# Altium PCB spin5v1_simple.PcbDoc (part 22 of 25)
Units mm, origin at the board's own origin, x right, y up, seen from the top; angles counter-clockwise.
Board outline 220.03 x 233.43 mm, 2 copper layers (TOP, BOTTOM), stack 0.176 mm thick; 1457 components, 4724 nets, 19245 pads, 25289 vias.
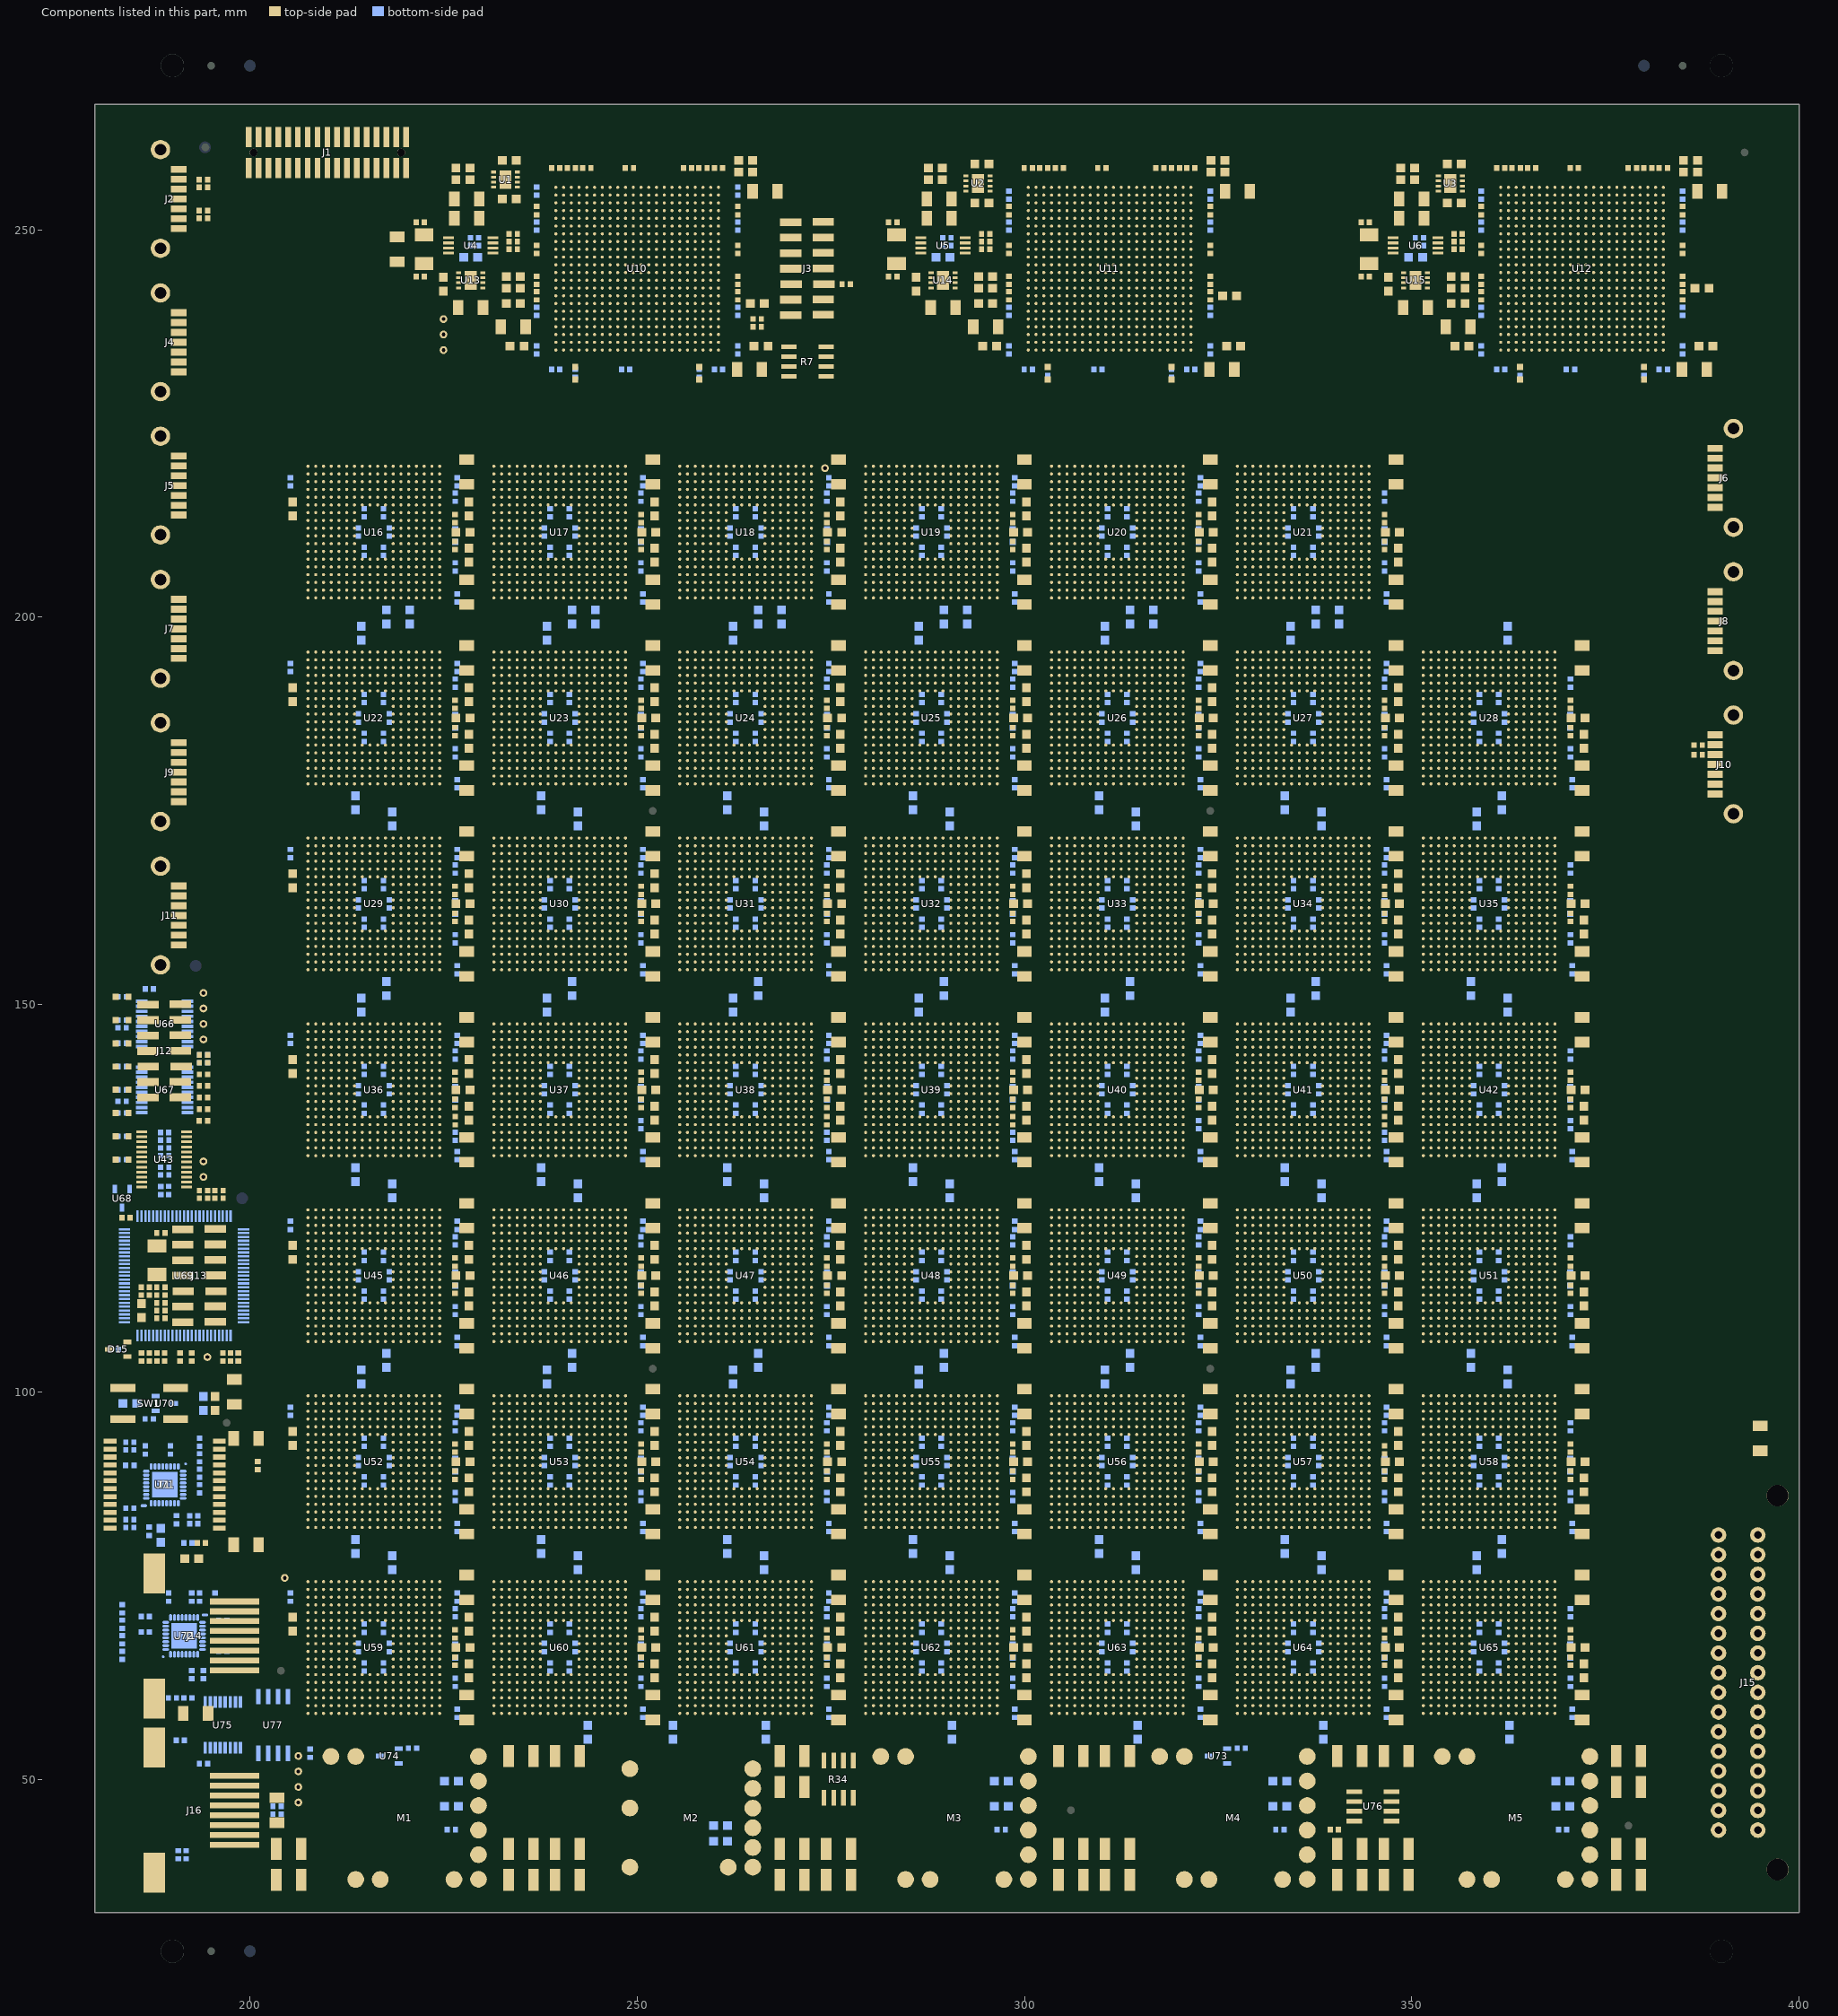
[diagram p22: the components of this part, seen from the top]

## Via types
v1: diameter 0.48, hole 0.25, TOP to BOTTOM, 22348 vias
v2: diameter 0.61, hole 0.3, TOP to BOTTOM, 2059 vias
v3: diameter 0.8, hole 0, TOP to BOTTOM, 882 vias

## Nets (pads, with @x,y where several pads share a name; then routed paths per layer and width w, separated by ;. In a path a pad name is that pad's centre, name@x,y a point inside that pad or via, vN(x,y) a via of type N, cw(c..) or ccw(c..) an arc to the next point about the centre after c; other vN are vias at no path point) (continued)
pads on no net: "J1. " "J2. " "J4. " "J5. " "J6. " "J7. " "J8. " "J9. " "J10. " "J11. " "J14. " "J15. " "J16. " "U71. " "U72. " D15.2 Designator1.1 Designator1.2 J3.12 J3.14 J12.1 J12.12 J13.1 J13.12 J15.C3 M2.1 M2.10 M4.1 R7.3 R34.3 U1.5 U1.6 U2.5 U2.6 U3.5 U3.6 U10.A18 U10.A19 U10.C4 U10.C5 U10.C11 U10.C17 U10.D5 U10.D11 U10.D17 U10.E5 U10.E6 U10.E12 U10.E16 U10.F7 U10.F8 U10.F9 U10.F10 U10.F12 U10.F14 U10.F15 U10.F16 U10.G8 U10.G9 U10.G11 U10.G13 U10.G15 U10.H10 U10.H11 U10.H12 U10.H13 U10.H14 U10.P15 U10.T16 U10.U17 U10.V18 U10.V20 U11.A18 U11.A19 U11.C4 U11.C5 U11.C11 U11.C17 U11.D5 U11.D11 U11.D17 U11.E5 U11.E6 U11.E12 U11.E16 U11.F7 U11.F8 U11.F9 U11.F10 U11.F12 U11.F14 U11.F15 U11.F16 U11.G8 U11.G9 U11.G11 U11.G13 U11.G15 U11.H10 U11.H11 U11.H12 U11.H13 U11.H14 U11.P15 U11.T16 U11.U17 U11.V18 U11.V20 U12.A18 U12.A19 U12.C4 U12.C5 U12.C11 U12.C17 U12.D5 U12.D11 U12.D17 U12.E5 U12.E6 U12.E12 U12.E16 U12.F7 U12.F8 U12.F9 U12.F10 U12.F12 U12.F14 U12.F15 U12.F16 U12.G8 U12.G9 U12.G11 U12.G13 U12.G15 U12.H10 U12.H11 U12.H12 U12.H13 U12.H14 U12.P15 U12.T16 U12.U17 U12.V18 U12.V20 U13.5 U13.6 U14.5 U14.6 U15.5 U15.6 U16.A1 U16.A2 U16.B1 U16.B2 U16.B3 U16.C1 U16.C2 U16.C3 U16.D1 U16.D2 U16.D3 U16.D4 U16.D15 U16.E1 U16.E2 U16.E3 U16.E4 U16.E15 U16.F1 U16.F2 U16.F3 U16.F4 U16.F15 U16.G1 U16.G2 U16.G3 U16.G4 U16.G18 U16.H1 U16.H2 U16.H3 U16.H4 U16.J1 U16.J2 U16.J3 U16.J4 U16.J15 U16.K1 U16.K2 U16.K3 U16.K4 U16.L1 U16.L2 U16.L3 U16.L4 U16.M1 U16.M2 U16.M3 U16.M4 U16.N1 U16.N2 U16.N3 U16.N4 U16.P1 U16.P2 U16.P3 U16.P4 U16.P15 U16.R1 U16.R2 U16.R3 U16.R4 U16.R15 U16.T1 U16.T2 U16.T3 U16.U1 U16.U2 U16.U3 U16.U16 U16.V1 U16.V2 U16.V17 U17.A1 U17.A2 U17.B1 U17.B2 U17.B3 U17.C1 U17.C2 U17.C3 U17.D1 U17.D2 U17.D3 U17.D4 U17.D15 U17.E1 U17.E2 U17.E3 U17.E4 U17.E15 U17.F1 U17.F2 U17.F3 U17.F4 U17.F15 U17.G1 U17.G2 U17.G3 U17.G4 U17.G18 U17.H1 U17.H2 U17.H3 U17.H4 U17.J1 U17.J2 U17.J3 U17.J4 U17.J15 U17.K1 U17.K2 U17.K3 U17.K4 U17.L1 U17.L2 U17.L3 U17.L4 U17.M1 U17.M2 U17.M3 U17.M4 U17.N1 U17.N2 U17.N3 U17.N4 U17.P1 U17.P2 U17.P3 U17.P4 U17.P15 U17.R1 U17.R2 U17.R3 U17.R4 U17.R15 U17.T1 U17.T2 U17.T3 U17.U1 U17.U2 U17.U3 U17.U16 U17.V1 U17.V2 U17.V17 U18.A1 U18.A2 U18.B1 U18.B2 U18.B3 U18.C1 U18.C2 U18.C3 U18.D1 U18.D2 U18.D3 U18.D4 U18.D15 U18.E1 U18.E2 U18.E3 U18.E4 U18.E15 U18.F1 U18.F2 U18.F3 U18.F4 U18.F15 U18.G1 U18.G2 U18.G3 U18.G4 U18.G18 U18.H1 U18.H2 U18.H3 U18.H4 U18.J1 U18.J2 U18.J3 U18.J4 U18.J15 U18.K1 U18.K2 U18.K3 U18.K4 U18.L1 U18.L2 U18.L3 U18.L4 U18.M1 U18.M2 U18.M3 U18.M4 U18.N1 U18.N2 U18.N3 U18.N4 U18.P1 U18.P2 U18.P3 U18.P4 U18.P15 U18.R1 U18.R2 U18.R3 U18.R4 U18.R15 U18.T1 U18.T2 U18.T3 U18.U1 U18.U2 U18.U3 U18.U16 U18.V1 U18.V2 U18.V17 U19.A1 U19.A2 U19.B1 U19.B2 U19.B3 U19.C1 U19.C2 U19.C3 U19.D1 U19.D2 U19.D3 U19.D4 U19.D15 U19.E1 U19.E2 U19.E3 U19.E4 U19.E15 U19.F1 U19.F2 U19.F3 U19.F4 U19.F15 U19.G1 U19.G2 U19.G3 U19.G4 U19.G18 U19.H1 U19.H2 U19.H3 U19.H4 U19.J1 U19.J2 U19.J3 U19.J4 U19.J15 U19.K1 U19.K2 U19.K3 U19.K4 U19.L1 U19.L2 U19.L3 U19.L4 U19.M1 U19.M2 U19.M3 U19.M4 U19.N1 U19.N2 U19.N3 U19.N4 U19.P1 U19.P2 U19.P3 U19.P4 U19.P15 U19.R1 U19.R2 U19.R3 U19.R4 U19.R15 U19.T1 U19.T2 U19.T3 U19.U1 U19.U2 U19.U3 U19.U16 U19.V1 U19.V2 U19.V17 U20.A1 U20.A2 U20.B1 U20.B2 U20.B3 U20.C1 U20.C2 U20.C3 U20.D1 U20.D2 U20.D3 U20.D4 U20.D15 U20.E1 U20.E2 U20.E3 U20.E4 U20.E15 U20.F1 U20.F2 U20.F3 U20.F4 U20.F15 U20.G1 U20.G2 U20.G3 U20.G4 U20.G18 U20.H1 U20.H2 U20.H3 U20.H4 U20.J1 U20.J2 U20.J3 U20.J4 U20.J15 U20.K1 U20.K2 U20.K3 U20.K4 U20.L1 U20.L2 U20.L3 U20.L4 U20.M1 U20.M2 U20.M3 U20.M4 U20.N1 U20.N2 U20.N3 U20.N4 U20.P1 U20.P2 U20.P3 U20.P4 U20.P15 U20.R1 U20.R2 U20.R3 U20.R4 U20.R15 U20.T1 U20.T2 U20.T3 U20.U1 U20.U2 U20.U3 U20.U16 U20.V1 U20.V2 U20.V17 U21.A1 U21.A2 U21.B1 U21.B2 U21.B3 U21.C1 U21.C2 U21.C3 U21.D1 U21.D2 U21.D3 U21.D4 U21.D15 U21.E1 U21.E2 U21.E3 U21.E4 U21.E15 U21.F1 U21.F2 U21.F3 U21.F4 U21.F15 U21.G1 U21.G2 U21.G3 U21.G4 U21.G18 U21.H1 U21.H2 U21.H3 U21.H4 U21.J1 U21.J2 U21.J3 U21.J4 U21.J15 U21.K1 U21.K2 U21.K3 U21.K4 U21.L1 U21.L2 U21.L3 U21.L4 U21.M1 U21.M2 U21.M3 U21.M4 U21.N1 U21.N2 U21.N3 U21.N4 U21.P1 U21.P2 U21.P3 U21.P4 U21.P15 U21.R1 U21.R2 U21.R3 U21.R4 U21.R15 U21.T1 U21.T2 U21.T3 U21.U1 U21.U2 U21.U3 U21.U16 U21.V1 U21.V2 U21.V17 U22.A1 U22.A2 U22.B1 U22.B2 U22.B3 U22.C1 U22.C2 U22.C3 U22.D1 U22.D2 U22.D3 U22.D4 U22.D15 U22.E1 U22.E2 U22.E3 U22.E4 U22.E15 U22.F1 U22.F2 U22.F3 U22.F4 U22.F15 U22.G1 U22.G2 U22.G3 U22.G4 U22.G18 U22.H1 U22.H2 U22.H3 U22.H4 U22.J1 U22.J2 U22.J3 U22.J4 U22.J15 U22.K1 U22.K2 U22.K3 U22.K4 U22.L1 U22.L2 U22.L3 U22.L4 U22.M1 U22.M2 U22.M3 U22.M4 U22.N1 U22.N2 U22.N3 U22.N4 U22.P1 U22.P2 U22.P3 U22.P4 U22.P15 U22.R1 U22.R2 U22.R3 U22.R4 U22.R15 U22.T1 U22.T2 U22.T3 U22.U1 U22.U2 U22.U3 U22.U16 U22.V1 U22.V2 U22.V17 U23.A1 U23.A2 U23.B1 U23.B2 U23.B3 U23.C1 U23.C2 U23.C3 U23.D1 U23.D2 U23.D3 U23.D4 U23.D15 U23.E1 U23.E2 U23.E3 U23.E4 U23.E15 U23.F1 U23.F2 U23.F3 U23.F4 U23.F15 U23.G1 U23.G2 U23.G3 U23.G4 U23.G18 U23.H1 U23.H2 U23.H3 U23.H4 U23.J1 U23.J2 U23.J3 U23.J4 U23.J15 U23.K1 U23.K2 U23.K3 U23.K4 U23.L1 U23.L2 U23.L3 U23.L4 U23.M1 U23.M2 U23.M3 U23.M4 U23.N1 U23.N2 U23.N3 U23.N4 U23.P1 U23.P2 U23.P3 U23.P4 U23.P15 U23.R1 U23.R2 U23.R3 U23.R4 U23.R15 U23.T1 U23.T2 U23.T3 U23.U1 U23.U2 U23.U3 U23.U16 U23.V1 U23.V2 U23.V17 U24.A1 U24.A2 U24.B1 U24.B2 U24.B3 U24.C1 U24.C2 U24.C3 U24.D1 U24.D2 U24.D3 U24.D4 U24.D15 U24.E1 U24.E2 U24.E3 U24.E4 U24.E15 U24.F1 U24.F2 U24.F3 U24.F4 U24.F15 U24.G1 U24.G2 U24.G3 U24.G4 U24.G18 U24.H1 U24.H2 U24.H3 U24.H4 U24.J1 U24.J2 U24.J3 U24.J4 U24.J15 U24.K1 U24.K2 U24.K3 U24.K4 U24.L1 U24.L2 U24.L3 U24.L4 U24.M1 U24.M2 U24.M3 U24.M4 U24.N1 U24.N2 U24.N3 U24.N4 U24.P1 U24.P2 U24.P3 U24.P4 U24.P15 U24.R1 U24.R2 U24.R3 U24.R4 U24.R15 U24.T1 U24.T2 U24.T3 U24.U1 U24.U2 U24.U3 U24.U16 U24.V1 U24.V2 U24.V17 U25.A1 U25.A2 U25.B1 U25.B2 U25.B3 U25.C1 U25.C2 U25.C3 U25.D1 U25.D2 U25.D3 U25.D4 U25.D15 U25.E1 U25.E2 U25.E3 U25.E4 U25.E15 U25.F1 U25.F2 U25.F3 U25.F4 U25.F15 U25.G1 U25.G2 U25.G3 U25.G4 U25.G18 U25.H1 U25.H2 U25.H3 U25.H4 U25.J1 U25.J2 U25.J3 U25.J4 U25.J15 U25.K1 U25.K2 U25.K3 U25.K4 U25.L1 U25.L2 U25.L3 U25.L4 U25.M1 U25.M2 U25.M3 U25.M4 U25.N1 U25.N2 U25.N3 U25.N4 U25.P1 U25.P2 U25.P3 U25.P4 U25.P15 U25.R1 U25.R2 U25.R3 U25.R4 U25.R15 U25.T1 U25.T2 U25.T3 U25.U1 U25.U2 U25.U3 U25.U16 U25.V1 U25.V2 U25.V17 U26.A1 U26.A2 U26.B1 U26.B2 U26.B3 U26.C1 U26.C2 U26.C3 U26.D1 U26.D2 U26.D3 U26.D4 U26.D15 U26.E1 U26.E2 U26.E3 U26.E4 U26.E15 U26.F1 U26.F2 U26.F3 U26.F4 U26.F15 U26.G1 U26.G2 U26.G3 U26.G4 U26.G18 U26.H1 U26.H2 U26.H3 U26.H4 U26.J1 U26.J2 U26.J3 U26.J4 U26.J15 U26.K1 U26.K2 U26.K3 U26.K4 U26.L1 U26.L2 U26.L3 U26.L4 U26.M1 U26.M2 U26.M3 U26.M4 U26.N1 U26.N2 U26.N3 U26.N4 U26.P1 U26.P2 U26.P3 U26.P4 U26.P15 U26.R1 U26.R2 U26.R3 U26.R4 U26.R15 U26.T1 U26.T2 U26.T3 U26.U1 U26.U2 U26.U3 U26.U16 U26.V1 U26.V2 U26.V17 U27.A1 U27.A2 U27.B1 U27.B2 U27.B3 U27.C1 U27.C2 U27.C3 U27.D1 U27.D2 U27.D3 U27.D4 U27.D15 U27.E1 U27.E2 U27.E3 U27.E4 U27.E15 U27.F1 U27.F2 U27.F3 U27.F4 U27.F15 U27.G1 U27.G2 U27.G3 U27.G4 U27.G18 U27.H1 U27.H2 U27.H3 U27.H4 U27.J1 U27.J2 U27.J3 U27.J4 U27.J15 U27.K1 U27.K2 U27.K3 U27.K4 U27.L1 U27.L2 U27.L3 U27.L4 U27.M1 U27.M2 U27.M3 U27.M4 U27.N1 U27.N2 U27.N3 U27.N4 U27.P1 U27.P2 U27.P3 U27.P4 U27.P15 U27.R1 U27.R2 U27.R3 U27.R4 U27.R15 U27.T1 U27.T2 U27.T3 U27.U1 U27.U2 U27.U3 U27.U16 U27.V1 U27.V2 U27.V17 U28.A1 U28.A2 U28.B1 U28.B2 U28.B3 U28.C1 U28.C2 U28.C3 U28.D1 U28.D2 U28.D3 U28.D4 U28.D15 U28.E1 U28.E2 U28.E3 U28.E4 U28.E15 U28.F1 U28.F2 U28.F3 U28.F4 U28.F15 U28.G1 U28.G2 U28.G3 U28.G4 U28.G18 U28.H1 U28.H2 U28.H3 U28.H4 U28.J1 U28.J2 U28.J3 U28.J4 U28.J15 U28.K1 U28.K2 U28.K3 U28.K4 U28.L1 U28.L2 U28.L3 U28.L4 U28.M1 U28.M2 U28.M3 U28.M4 U28.N1 U28.N2 U28.N3 U28.N4 U28.P1 U28.P2 U28.P3 U28.P4 U28.P15 U28.R1 U28.R2 U28.R3 U28.R4 U28.R15 U28.T1 U28.T2 U28.T3 U28.U1 U28.U2 U28.U3 U28.U16 U28.V1 U28.V2 U28.V17 U29.A1 U29.A2 U29.B1 U29.B2 U29.B3 U29.C1 U29.C2 U29.C3 U29.D1 U29.D2 U29.D3 U29.D4 U29.D15 U29.E1 U29.E2 U29.E3 U29.E4 U29.E15 U29.F1 U29.F2 U29.F3 U29.F4 U29.F15 U29.G1 U29.G2 U29.G3 U29.G4 U29.G18 U29.H1 U29.H2 U29.H3 U29.H4 U29.J1 U29.J2 U29.J3 U29.J4 U29.J15 U29.K1 U29.K2 U29.K3 U29.K4 U29.L1 U29.L2 U29.L3 U29.L4 U29.M1 U29.M2 U29.M3 U29.M4 U29.N1 U29.N2 U29.N3 U29.N4 U29.P1 U29.P2 U29.P3 U29.P4 U29.P15 U29.R1 U29.R2 U29.R3 U29.R4 U29.R15 U29.T1 U29.T2 U29.T3 U29.U1 U29.U2 U29.U3 U29.U16 U29.V1 U29.V2 U29.V17 U30.A1 U30.A2 U30.B1 U30.B2 U30.B3 U30.C1 U30.C2 U30.C3 U30.D1 U30.D2 U30.D3 U30.D4 U30.D15 U30.E1 U30.E2 U30.E3 U30.E4 U30.E15 U30.F1 U30.F2 U30.F3 U30.F4 U30.F15 U30.G1 U30.G2 U30.G3 U30.G4 U30.G18 U30.H1 U30.H2 U30.H3 U30.H4 U30.J1 U30.J2 U30.J3 U30.J4 U30.J15 U30.K1 U30.K2 U30.K3 U30.K4 U30.L1 U30.L2 U30.L3 U30.L4 U30.M1 U30.M2 U30.M3 U30.M4 U30.N1 U30.N2 U30.N3 U30.N4 U30.P1 U30.P2 U30.P3 U30.P4 U30.P15 U30.R1 U30.R2 U30.R3 U30.R4 U30.R15 U30.T1 U30.T2 U30.T3 U30.U1 U30.U2 U30.U3 U30.U16 U30.V1 U30.V2 U30.V17 U31.A1 U31.A2 U31.B1 U31.B2 U31.B3 U31.C1 U31.C2 U31.C3 U31.D1 U31.D2 U31.D3 U31.D4 U31.D15 U31.E1 U31.E2 U31.E3 U31.E4 U31.E15 U31.F1 U31.F2 U31.F3 U31.F4 U31.F15 U31.G1 U31.G2 U31.G3 U31.G4 U31.G18 U31.H1 U31.H2 U31.H3 U31.H4 U31.J1 U31.J2 U31.J3 U31.J4 U31.J15 U31.K1 U31.K2 U31.K3 U31.K4 U31.L1 U31.L2 U31.L3 U31.L4 U31.M1 U31.M2 U31.M3 U31.M4 U31.N1 U31.N2 U31.N3 U31.N4 U31.P1 U31.P2 U31.P3 U31.P4 U31.P15 U31.R1 U31.R2 U31.R3 U31.R4 U31.R15 U31.T1 U31.T2 U31.T3 U31.U1 U31.U2 U31.U3 U31.U16 U31.V1 U31.V2 U31.V17 U32.A1 U32.A2 U32.B1 U32.B2 U32.B3 U32.C1 U32.C2 U32.C3 U32.D1 U32.D2 U32.D3 U32.D4 U32.D15 U32.E1 U32.E2 U32.E3 U32.E4 U32.E15 U32.F1 U32.F2 U32.F3 U32.F4 U32.F15 U32.G1 U32.G2 U32.G3 U32.G4 U32.G18 U32.H1 U32.H2 U32.H3 U32.H4 U32.J1 U32.J2 U32.J3 U32.J4 U32.J15 U32.K1 U32.K2 U32.K3 U32.K4 U32.L1 U32.L2 U32.L3 U32.L4 U32.M1 U32.M2 U32.M3 U32.M4 U32.N1 U32.N2 U32.N3 U32.N4 U32.P1 U32.P2 U32.P3 U32.P4 U32.P15 U32.R1 U32.R2 U32.R3 U32.R4 U32.R15 U32.T1 U32.T2 U32.T3 U32.U1 U32.U2 U32.U3 U32.U16 U32.V1 U32.V2 U32.V17 U33.A1 U33.A2 U33.B1 U33.B2 U33.B3 U33.C1 U33.C2 U33.C3 U33.D1 U33.D2 U33.D3 U33.D4 U33.D15 U33.E1 U33.E2 U33.E3 U33.E4 U33.E15 U33.F1 U33.F2 U33.F3 U33.F4 U33.F15 U33.G1 U33.G2 U33.G3 U33.G4 U33.G18 U33.H1 U33.H2 U33.H3 U33.H4 U33.J1 U33.J2 U33.J3 U33.J4 U33.J15 U33.K1 U33.K2 U33.K3 U33.K4 U33.L1 U33.L2 U33.L3 U33.L4 U33.M1 U33.M2 U33.M3 U33.M4 U33.N1 U33.N2 U33.N3 U33.N4 U33.P1 U33.P2 U33.P3 U33.P4 U33.P15 U33.R1 U33.R2 U33.R3 U33.R4 U33.R15 U33.T1 U33.T2 U33.T3 U33.U1 U33.U2 U33.U3 U33.U16 U33.V1 U33.V2 U33.V17 U34.A1 U34.A2 U34.B1 U34.B2 U34.B3 U34.C1 U34.C2 U34.C3 U34.D1 U34.D2 U34.D3 U34.D4 U34.D15 U34.E1 U34.E2 U34.E3 U34.E4 U34.E15 U34.F1 U34.F2 U34.F3 U34.F4 U34.F15 U34.G1 U34.G2 U34.G3 U34.G4 U34.G18 U34.H1 U34.H2 U34.H3 U34.H4 U34.J1 U34.J2 U34.J3 U34.J4 U34.J15 U34.K1 U34.K2 U34.K3 U34.K4 U34.L1 U34.L2 U34.L3 U34.L4 U34.M1 U34.M2 U34.M3 U34.M4 U34.N1 U34.N2 U34.N3 U34.N4 U34.P1 U34.P2 U34.P3 U34.P4 U34.P15 U34.R1 U34.R2 U34.R3 U34.R4 U34.R15 U34.T1 U34.T2 U34.T3 U34.U1 U34.U2 U34.U3 U34.U16 U34.V1 U34.V2 U34.V17 U35.A1 U35.A2 U35.B1 U35.B2 U35.B3 U35.C1 U35.C2 U35.C3 U35.D1 U35.D2 U35.D3 U35.D4 U35.D15 U35.E1 U35.E2 U35.E3 U35.E4 U35.E15 U35.F1 U35.F2 U35.F3 U35.F4 U35.F15 U35.G1 U35.G2 U35.G3 U35.G4 U35.G18 U35.H1 U35.H2 U35.H3 U35.H4 U35.J1 U35.J2 U35.J3 U35.J4 U35.J15 U35.K1 U35.K2 U35.K3 U35.K4 U35.L1 U35.L2 U35.L3 U35.L4 U35.M1 U35.M2 U35.M3 U35.M4 U35.N1 U35.N2 U35.N3 U35.N4 U35.P1 U35.P2 U35.P3 U35.P4 U35.P15 U35.R1 U35.R2 U35.R3 U35.R4 U35.R15 U35.T1 U35.T2 U35.T3 U35.U1 U35.U2 U35.U3 U35.U16 U35.V1 U35.V2 U35.V17 U36.A1 U36.A2 U36.B1 U36.B2 U36.B3 U36.C1 U36.C2 U36.C3 U36.D1 U36.D2 U36.D3 U36.D4 U36.D15 U36.E1 U36.E2 U36.E3 U36.E4 U36.E15 U36.F1 U36.F2 U36.F3 U36.F4 U36.F15 U36.G1 U36.G2 U36.G3 U36.G4 U36.G18 U36.H1 U36.H2 U36.H3 U36.H4 U36.J1 U36.J2 U36.J3 U36.J4 U36.J15 U36.K1 U36.K2 U36.K3 U36.K4 U36.L1 U36.L2 U36.L3 U36.L4 U36.M1 U36.M2 U36.M3 U36.M4 U36.N1 U36.N2 U36.N3 U36.N4 U36.P1 U36.P2 U36.P3 U36.P4 U36.P15 U36.R1 U36.R2 U36.R3 U36.R4 U36.R15 U36.T1 U36.T2 U36.T3 U36.U1 U36.U2 U36.U3 U36.U16 U36.V1 U36.V2 U36.V17 U37.A1 U37.A2 U37.B1 U37.B2 U37.B3 U37.C1 U37.C2 U37.C3 U37.D1 U37.D2 U37.D3 U37.D4 U37.D15 U37.E1 U37.E2 U37.E3 U37.E4 U37.E15 U37.F1 U37.F2 U37.F3 U37.F4 U37.F15 U37.G1 U37.G2 U37.G3 U37.G4 U37.G18 U37.H1 U37.H2 U37.H3 U37.H4 U37.J1 U37.J2 U37.J3 U37.J4 U37.J15 U37.K1 U37.K2 U37.K3 U37.K4 U37.L1 U37.L2 U37.L3 U37.L4 U37.M1 U37.M2 U37.M3 U37.M4 U37.N1 U37.N2 U37.N3 U37.N4 U37.P1 U37.P2 U37.P3 U37.P4 U37.P15 U37.R1 U37.R2 U37.R3 U37.R4 U37.R15 U37.T1 U37.T2 U37.T3 U37.U1 U37.U2 U37.U3 U37.U16 U37.V1 U37.V2 U37.V17 U38.A1 U38.A2 U38.B1 U38.B2 U38.B3 U38.C1 U38.C2 U38.C3 U38.D1 U38.D2 U38.D3 U38.D4 U38.D15 U38.E1 U38.E2 U38.E3 U38.E4 U38.E15 U38.F1 U38.F2 U38.F3 U38.F4 U38.F15 U38.G1 U38.G2 U38.G3 U38.G4 U38.G18 U38.H1 U38.H2 U38.H3 U38.H4 U38.J1 U38.J2 U38.J3 U38.J4 U38.J15 U38.K1 U38.K2 U38.K3 U38.K4 U38.L1 U38.L2 U38.L3 U38.L4 U38.M1 U38.M2 U38.M3 U38.M4 U38.N1 U38.N2 U38.N3 U38.N4 U38.P1 U38.P2 U38.P3 U38.P4 U38.P15 U38.R1 U38.R2 U38.R3 U38.R4 U38.R15 U38.T1 U38.T2 U38.T3 U38.U1 U38.U2 U38.U3 U38.U16 U38.V1 U38.V2 U38.V17 U39.A1 U39.A2 U39.B1 U39.B2 U39.B3 U39.C1 U39.C2 U39.C3 U39.D1 U39.D2 U39.D3 U39.D4 U39.D15 U39.E1 U39.E2 U39.E3 U39.E4 U39.E15 U39.F1 U39.F2 U39.F3 U39.F4 U39.F15 U39.G1 U39.G2 U39.G3 U39.G4 U39.G18 U39.H1 U39.H2 U39.H3 U39.H4 U39.J1 U39.J2 U39.J3 U39.J4 U39.J15 U39.K1 U39.K2 U39.K3 U39.K4 U39.L1 U39.L2 U39.L3 U39.L4 U39.M1 U39.M2 U39.M3 U39.M4 U39.N1 U39.N2 U39.N3 U39.N4 U39.P1 U39.P2 U39.P3 U39.P4 U39.P15 U39.R1 U39.R2 U39.R3 U39.R4 U39.R15 U39.T1 U39.T2 U39.T3 U39.U1 U39.U2 U39.U3 U39.U16 U39.V1 U39.V2 U39.V17 U40.A1 U40.A2 U40.B1 U40.B2 U40.B3 U40.C1 U40.C2 U40.C3 U40.D1 U40.D2 U40.D3 U40.D4 U40.D15 U40.E1 U40.E2 U40.E3 U40.E4 U40.E15 U40.F1 U40.F2 U40.F3 U40.F4 U40.F15 U40.G1 U40.G2 U40.G3 U40.G4 U40.G18 U40.H1 U40.H2 U40.H3 U40.H4 U40.J1 U40.J2 U40.J3 U40.J4 U40.J15 U40.K1 U40.K2 U40.K3 U40.K4 U40.L1 U40.L2 U40.L3 U40.L4 U40.M1 U40.M2 U40.M3 U40.M4 U40.N1 U40.N2 U40.N3 U40.N4 U40.P1 U40.P2 U40.P3 U40.P4 U40.P15 U40.R1 U40.R2 U40.R3 U40.R4 U40.R15 U40.T1 U40.T2 U40.T3 U40.U1 U40.U2 U40.U3 U40.U16 U40.V1 U40.V2 U40.V17 U41.A1 U41.A2 U41.B1 U41.B2 U41.B3 U41.C1 U41.C2 U41.C3 U41.D1 U41.D2 U41.D3 U41.D4 U41.D15 U41.E1 U41.E2 U41.E3 U41.E4 U41.E15 U41.F1 U41.F2 U41.F3 U41.F4 U41.F15 U41.G1 U41.G2 U41.G3 U41.G4 U41.G18 U41.H1 U41.H2 U41.H3 U41.H4 U41.J1 U41.J2 U41.J3 U41.J4 U41.J15 U41.K1 U41.K2 U41.K3 U41.K4 U41.L1 U41.L2 U41.L3 U41.L4 U41.M1 U41.M2 U41.M3 U41.M4 U41.N1 U41.N2 U41.N3 U41.N4 U41.P1 U41.P2 U41.P3 U41.P4 U41.P15 U41.R1 U41.R2 U41.R3 U41.R4 U41.R15 U41.T1 U41.T2 U41.T3 U41.U1 U41.U2 U41.U3 U41.U16 U41.V1 U41.V2 U41.V17 U42.A1 U42.A2 U42.B1 U42.B2 U42.B3 U42.C1 U42.C2 U42.C3 U42.D1 U42.D2 U42.D3 U42.D4 U42.D15 U42.E1 U42.E2 U42.E3 U42.E4 U42.E15 U42.F1 U42.F2 U42.F3 U42.F4 U42.F15 U42.G1 U42.G2 U42.G3 U42.G4 U42.G18 U42.H1 U42.H2 U42.H3 U42.H4 U42.J1 U42.J2 U42.J3 U42.J4 U42.J15 U42.K1 U42.K2 U42.K3 U42.K4 U42.L1 U42.L2 U42.L3 U42.L4 U42.M1 U42.M2 U42.M3 U42.M4 U42.N1 U42.N2 U42.N3 U42.N4 U42.P1 U42.P2 U42.P3 U42.P4 U42.P15 U42.R1 U42.R2 U42.R3 U42.R4 U42.R15 U42.T1 U42.T2 U42.T3 U42.U1 U42.U2 U42.U3 U42.U16 U42.V1 U42.V2 U42.V17 U43.8 U43.9 U43.10 U45.A1 U45.A2 U45.B1 U45.B2 U45.B3 U45.C1 U45.C2 U45.C3 U45.D1 U45.D2 U45.D3 U45.D4 U45.D15 U45.E1 U45.E2 U45.E3 U45.E4 U45.E15 U45.F1 U45.F2 U45.F3 U45.F4 U45.F15 U45.G1 U45.G2 U45.G3 U45.G4 U45.G18 U45.H1 U45.H2 U45.H3 U45.H4 U45.J1 U45.J2 U45.J3 U45.J4 U45.J15 U45.K1 U45.K2 U45.K3 U45.K4 U45.L1 U45.L2 U45.L3 U45.L4 U45.M1 U45.M2 U45.M3 U45.M4 U45.N1 U45.N2 U45.N3 U45.N4 U45.P1 U45.P2 U45.P3 U45.P4 U45.P15 U45.R1 U45.R2 U45.R3 U45.R4 U45.R15 U45.T1 U45.T2 U45.T3 U45.U1 U45.U2 U45.U3 U45.U16 U45.V1 U45.V2 U45.V17 U46.A1 U46.A2 U46.B1 U46.B2 U46.B3 U46.C1 U46.C2 U46.C3 U46.D1 U46.D2 U46.D3 U46.D4 U46.D15 U46.E1 U46.E2 U46.E3 U46.E4 U46.E15 U46.F1 U46.F2 U46.F3 U46.F4 U46.F15 U46.G1 U46.G2 U46.G3 U46.G4 U46.G18 U46.H1 U46.H2 U46.H3 U46.H4 U46.J1 U46.J2 U46.J3 U46.J4 U46.J15 U46.K1 U46.K2 U46.K3 U46.K4 U46.L1 U46.L2 U46.L3 U46.L4 U46.M1 U46.M2 U46.M3 U46.M4 U46.N1 U46.N2 U46.N3 U46.N4 U46.P1 U46.P2 U46.P3 U46.P4 U46.P15 U46.R1 U46.R2 U46.R3 U46.R4 U46.R15 U46.T1 U46.T2 U46.T3 U46.U1 U46.U2 U46.U3 U46.U16 U46.V1 U46.V2 U46.V17 U47.A1 U47.A2 U47.B1 U47.B2 U47.B3 U47.C1 U47.C2 U47.C3 U47.D1 U47.D2 U47.D3 U47.D4 U47.D15 U47.E1 U47.E2 U47.E3 U47.E4 U47.E15 U47.F1 U47.F2 U47.F3 U47.F4 U47.F15 U47.G1 U47.G2 U47.G3 U47.G4 U47.G18 U47.H1 U47.H2 U47.H3 U47.H4 U47.J1 U47.J2 U47.J3 U47.J4 U47.J15 U47.K1 U47.K2 U47.K3 U47.K4 U47.L1 U47.L2 U47.L3 U47.L4 U47.M1 U47.M2 U47.M3 U47.M4 U47.N1 U47.N2 U47.N3 U47.N4 U47.P1 U47.P2 U47.P3 U47.P4 U47.P15 U47.R1 U47.R2 U47.R3 U47.R4 U47.R15 U47.T1 U47.T2 U47.T3 U47.U1 U47.U2 U47.U3 U47.U16 U47.V1 U47.V2 U47.V17 U48.A1 U48.A2 U48.B1 U48.B2 U48.B3 U48.C1 U48.C2 U48.C3 U48.D1 U48.D2 U48.D3 U48.D4 U48.D15 U48.E1 U48.E2 U48.E3 U48.E4 U48.E15 U48.F1 U48.F2 U48.F3 U48.F4 U48.F15 U48.G1 U48.G2 U48.G3 U48.G4 U48.G18 U48.H1 U48.H2 U48.H3 U48.H4 U48.J1 U48.J2 U48.J3 U48.J4 U48.J15 U48.K1 U48.K2 U48.K3 U48.K4 U48.L1 U48.L2 U48.L3 U48.L4 U48.M1 U48.M2 U48.M3 U48.M4 U48.N1 U48.N2 U48.N3 U48.N4 U48.P1 U48.P2 U48.P3 U48.P4 U48.P15 U48.R1 U48.R2 U48.R3 U48.R4 U48.R15 U48.T1 U48.T2 U48.T3 U48.U1 U48.U2 U48.U3 U48.U16 U48.V1 U48.V2 U48.V17 U49.A1 U49.A2 U49.B1 U49.B2 U49.B3 U49.C1 U49.C2 U49.C3 U49.D1 U49.D2 U49.D3 U49.D4 U49.D15 U49.E1 U49.E2 U49.E3 U49.E4 U49.E15 U49.F1 U49.F2 U49.F3 U49.F4 U49.F15 U49.G1 U49.G2 U49.G3 U49.G4 U49.G18 U49.H1 U49.H2 U49.H3 U49.H4 U49.J1 U49.J2 U49.J3 U49.J4 U49.J15 U49.K1 U49.K2 U49.K3 U49.K4 U49.L1 U49.L2 U49.L3 U49.L4 U49.M1 U49.M2 U49.M3 U49.M4 U49.N1 U49.N2 U49.N3 U49.N4 U49.P1 U49.P2 U49.P3 U49.P4 U49.P15 U49.R1 U49.R2 U49.R3 U49.R4 U49.R15 U49.T1 U49.T2 U49.T3 U49.U1 U49.U2 U49.U3 U49.U16 U49.V1 U49.V2 U49.V17 U50.A1 U50.A2 U50.B1 U50.B2 U50.B3 U50.C1 U50.C2 U50.C3 U50.D1 U50.D2 U50.D3 U50.D4 U50.D15 U50.E1 U50.E2 U50.E3 U50.E4 U50.E15 U50.F1 U50.F2 U50.F3 U50.F4 U50.F15 U50.G1 U50.G2 U50.G3 U50.G4 U50.G18 U50.H1 U50.H2 U50.H3 U50.H4 U50.J1 U50.J2 U50.J3 U50.J4 U50.J15 U50.K1 U50.K2 U50.K3 U50.K4 U50.L1 U50.L2 U50.L3 U50.L4 U50.M1 U50.M2 U50.M3 U50.M4 U50.N1 U50.N2 U50.N3 U50.N4 U50.P1 U50.P2 U50.P3 U50.P4 U50.P15 U50.R1 U50.R2 U50.R3 U50.R4 U50.R15 U50.T1 U50.T2 U50.T3 U50.U1 U50.U2 U50.U3 U50.U16 U50.V1 U50.V2 U50.V17 U51.A1 U51.A2 U51.B1 U51.B2 U51.B3 U51.C1 U51.C2 U51.C3 U51.D1 U51.D2 U51.D3 U51.D4 U51.D15 U51.E1 U51.E2 U51.E3 U51.E4 U51.E15 U51.F1 U51.F2 U51.F3 U51.F4 U51.F15 U51.G1 U51.G2 U51.G3 U51.G4 U51.G18 U51.H1 U51.H2 U51.H3 U51.H4 U51.J1 U51.J2 U51.J3 U51.J4 U51.J15 U51.K1 U51.K2 U51.K3 U51.K4 U51.L1 U51.L2 U51.L3 U51.L4 U51.M1 U51.M2 U51.M3 U51.M4 U51.N1 U51.N2 U51.N3 U51.N4 U51.P1 U51.P2 U51.P3 U51.P4 U51.P15 U51.R1 U51.R2 U51.R3 U51.R4 U51.R15 U51.T1 U51.T2 U51.T3 U51.U1 U51.U2 U51.U3 U51.U16 U51.V1 U51.V2 U51.V17 U52.A1 U52.A2 U52.B1 U52.B2 U52.B3 U52.C1 U52.C2 U52.C3 U52.D1 U52.D2 U52.D3 U52.D4 U52.D15 U52.E1 U52.E2 U52.E3 U52.E4 U52.E15 U52.F1 U52.F2 U52.F3 U52.F4 U52.F15 U52.G1 U52.G2 U52.G3 U52.G4 U52.G18 U52.H1 U52.H2 U52.H3 U52.H4 U52.J1 U52.J2 U52.J3 U52.J4 U52.J15 U52.K1 U52.K2 U52.K3 U52.K4 U52.L1 U52.L2 U52.L3 U52.L4 U52.M1 U52.M2 U52.M3 U52.M4 U52.N1 U52.N2 U52.N3 U52.N4 U52.P1 U52.P2 U52.P3 U52.P4 U52.P15 U52.R1 U52.R2 U52.R3 U52.R4 U52.R15 U52.T1 U52.T2 U52.T3 U52.U1 U52.U2 U52.U3 U52.U16 U52.V1 U52.V2 U52.V17 U53.A1 U53.A2 U53.B1 U53.B2 U53.B3 U53.C1 U53.C2 U53.C3 U53.D1 U53.D2 U53.D3 U53.D4 U53.D15 U53.E1 U53.E2 U53.E3 U53.E4 U53.E15 U53.F1 U53.F2 U53.F3 U53.F4 U53.F15 U53.G1 U53.G2 U53.G3 U53.G4 U53.G18 U53.H1 U53.H2 U53.H3 U53.H4 U53.J1 U53.J2 U53.J3 U53.J4 U53.J15 U53.K1 U53.K2 U53.K3 U53.K4 U53.L1 U53.L2 U53.L3 U53.L4 U53.M1 U53.M2 U53.M3 U53.M4 U53.N1 U53.N2 U53.N3 U53.N4 U53.P1 U53.P2 U53.P3 U53.P4 U53.P15 U53.R1 U53.R2 U53.R3 U53.R4 U53.R15 U53.T1 U53.T2 U53.T3 U53.U1 U53.U2 U53.U3 U53.U16 U53.V1 U53.V2 U53.V17 U54.A1 U54.A2 U54.B1 U54.B2 U54.B3 U54.C1 U54.C2 U54.C3 U54.D1 U54.D2 U54.D3 U54.D4 U54.D15 U54.E1 U54.E2 U54.E3 U54.E4 U54.E15 U54.F1 U54.F2 U54.F3 U54.F4 U54.F15 U54.G1 U54.G2 U54.G3 U54.G4 U54.G18 U54.H1 U54.H2 U54.H3 U54.H4 U54.J1 U54.J2 U54.J3 U54.J4 U54.J15 U54.K1 U54.K2 U54.K3 U54.K4 U54.L1 U54.L2 U54.L3 U54.L4 U54.M1 U54.M2 U54.M3 U54.M4 U54.N1 U54.N2 U54.N3 U54.N4 U54.P1 U54.P2 U54.P3 U54.P4 U54.P15 U54.R1 U54.R2 U54.R3 U54.R4 U54.R15 U54.T1 U54.T2 U54.T3 U54.U1 U54.U2 U54.U3 U54.U16 U54.V1 U54.V2 U54.V17 U55.A1 U55.A2 U55.B1 U55.B2 U55.B3 U55.C1 U55.C2 U55.C3 U55.D1 U55.D2 U55.D3 U55.D4 U55.D15 U55.E1 U55.E2 U55.E3 U55.E4 U55.E15 U55.F1 U55.F2 U55.F3 U55.F4 U55.F15 U55.G1 U55.G2 U55.G3 U55.G4 U55.G18 U55.H1 U55.H2 U55.H3 U55.H4 U55.J1 U55.J2 U55.J3 U55.J4 U55.J15 U55.K1 U55.K2 U55.K3 U55.K4 U55.L1 U55.L2 U55.L3 U55.L4 U55.M1 U55.M2 U55.M3 U55.M4 U55.N1 U55.N2 U55.N3 U55.N4 U55.P1 U55.P2 U55.P3 U55.P4 U55.P15 U55.R1 U55.R2 U55.R3 U55.R4 U55.R15 U55.T1 U55.T2 U55.T3 U55.U1 U55.U2 U55.U3 U55.U16 U55.V1 U55.V2 U55.V17 U56.A1 U56.A2 U56.B1 U56.B2 U56.B3 U56.C1 U56.C2 U56.C3 U56.D1 U56.D2 U56.D3 U56.D4 U56.D15 U56.E1 U56.E2 U56.E3 U56.E4 U56.E15 U56.F1 U56.F2 U56.F3 U56.F4 U56.F15 U56.G1 U56.G2 U56.G3 U56.G4 U56.G18 U56.H1 U56.H2 U56.H3 U56.H4 U56.J1 U56.J2 U56.J3 U56.J4 U56.J15 U56.K1 U56.K2 U56.K3 U56.K4 U56.L1 U56.L2 U56.L3 U56.L4 U56.M1 U56.M2 U56.M3 U56.M4 U56.N1 U56.N2 U56.N3 U56.N4 U56.P1 U56.P2 U56.P3 U56.P4 U56.P15 U56.R1 U56.R2 U56.R3 U56.R4 U56.R15 U56.T1 U56.T2 U56.T3 U56.U1 U56.U2 U56.U3 U56.U16 U56.V1 U56.V2 U56.V17 U57.A1 U57.A2 U57.B1 U57.B2 U57.B3 U57.C1 U57.C2 U57.C3 U57.D1 U57.D2 U57.D3 U57.D4 U57.D15 U57.E1 U57.E2 U57.E3 U57.E4 U57.E15 U57.F1 U57.F2 U57.F3 U57.F4 U57.F15 U57.G1 U57.G2 U57.G3 U57.G4 U57.G18 U57.H1 U57.H2 U57.H3 U57.H4 U57.J1 U57.J2 U57.J3 U57.J4 U57.J15 U57.K1 U57.K2 U57.K3 U57.K4 U57.L1 U57.L2 U57.L3 U57.L4 U57.M1 U57.M2 U57.M3 U57.M4 U57.N1 U57.N2 U57.N3 U57.N4 U57.P1 U57.P2 U57.P3 U57.P4 U57.P15 U57.R1 U57.R2 U57.R3 U57.R4 U57.R15 U57.T1 U57.T2 U57.T3 U57.U1 U57.U2 U57.U3 U57.U16 U57.V1 U57.V2 U57.V17 U58.A1 U58.A2 U58.B1 U58.B2 U58.B3 U58.C1 U58.C2 U58.C3 U58.D1 U58.D2 U58.D3 U58.D4 U58.D15 U58.E1 U58.E2 U58.E3 U58.E4 U58.E15 U58.F1 U58.F2 U58.F3 U58.F4 U58.F15 U58.G1 U58.G2 U58.G3 U58.G4 U58.G18 U58.H1 U58.H2 U58.H3 U58.H4 U58.J1 U58.J2 U58.J3 U58.J4 U58.J15 U58.K1 U58.K2 U58.K3 U58.K4 U58.L1 U58.L2 U58.L3 U58.L4 U58.M1 U58.M2 U58.M3 U58.M4 U58.N1 U58.N2 U58.N3 U58.N4 U58.P1 U58.P2 U58.P3 U58.P4 U58.P15 U58.R1 U58.R2 U58.R3 U58.R4 U58.R15 U58.T1 U58.T2 U58.T3 U58.U1 U58.U2 U58.U3 U58.U16 U58.V1 U58.V2 U58.V17 U59.A1 U59.A2 U59.B1 U59.B2 U59.B3 U59.C1 U59.C2 U59.C3 U59.D1 U59.D2 U59.D3 U59.D4 U59.D15 U59.E1 U59.E2 U59.E3 U59.E4 U59.E15 U59.F1 U59.F2 U59.F3 U59.F4 U59.F15 U59.G1 U59.G2 U59.G3 U59.G4 U59.G18 U59.H1 U59.H2 U59.H3 U59.H4 U59.J1 U59.J2 U59.J3 U59.J4 U59.J15 U59.K1 U59.K2 U59.K3 U59.K4 U59.L1 U59.L2 U59.L3 U59.L4 U59.M1 U59.M2 U59.M3 U59.M4 U59.N1 U59.N2 U59.N3 U59.N4 U59.P1 U59.P2 U59.P3 U59.P4 U59.P15 U59.R1 U59.R2 U59.R3 U59.R4 U59.R15 U59.T1 U59.T2 U59.T3 U59.U1 U59.U2 U59.U3 U59.U16 U59.V1 U59.V2 U59.V17 U60.A1 U60.A2 U60.B1 U60.B2 U60.B3 U60.C1 U60.C2 U60.C3 U60.D1 U60.D2 U60.D3 U60.D4 U60.D15 U60.E1 U60.E2 U60.E3 U60.E4 U60.E15 U60.F1 U60.F2 U60.F3 U60.F4 U60.F15 U60.G1 U60.G2 U60.G3 U60.G4 U60.G18 U60.H1 U60.H2 U60.H3 U60.H4 U60.J1 U60.J2 U60.J3 U60.J4 U60.J15 U60.K1 U60.K2 U60.K3 U60.K4 U60.L1 U60.L2 U60.L3 U60.L4 U60.M1 U60.M2 U60.M3 U60.M4 U60.N1 U60.N2 U60.N3 U60.N4 U60.P1 U60.P2 U60.P3 U60.P4 U60.P15 U60.R1 U60.R2 U60.R3 U60.R4 U60.R15 U60.T1 U60.T2 U60.T3 U60.U1 U60.U2 U60.U3 U60.U16 U60.V1 U60.V2 U60.V17 U61.A1 U61.A2 U61.B1 U61.B2 U61.B3 U61.C1 U61.C2 U61.C3 U61.D1 U61.D2 U61.D3 U61.D4 U61.D15 U61.E1 U61.E2 U61.E3 U61.E4 U61.E15 U61.F1 U61.F2 U61.F3 U61.F4 U61.F15 U61.G1 U61.G2 U61.G3 U61.G4 U61.G18 U61.H1 U61.H2 U61.H3 U61.H4 U61.J1 U61.J2 U61.J3 U61.J4 U61.J15 U61.K1 U61.K2 U61.K3 U61.K4 U61.L1 U61.L2 U61.L3 U61.L4 U61.M1 U61.M2 U61.M3 U61.M4 U61.N1 U61.N2 U61.N3 U61.N4 U61.P1 U61.P2 U61.P3 U61.P4 U61.P15 U61.R1 U61.R2 U61.R3 U61.R4 U61.R15 U61.T1 U61.T2 U61.T3 U61.U1 U61.U2 U61.U3 U61.U16 U61.V1 U61.V2 U61.V17 U62.A1 U62.A2 U62.B1 U62.B2 U62.B3 U62.C1 U62.C2 U62.C3 U62.D1 U62.D2 U62.D3 U62.D4 U62.D15 U62.E1 U62.E2 U62.E3 U62.E4 U62.E15 U62.F1 U62.F2 U62.F3 U62.F4 U62.F15 U62.G1 U62.G2 U62.G3 U62.G4 U62.G18 U62.H1 U62.H2 U62.H3 U62.H4 U62.J1 U62.J2 U62.J3 U62.J4 U62.J15 U62.K1 U62.K2 U62.K3 U62.K4 U62.L1 U62.L2 U62.L3 U62.L4 U62.M1 U62.M2 U62.M3 U62.M4 U62.N1 U62.N2 U62.N3 U62.N4 U62.P1 U62.P2 U62.P3 U62.P4 U62.P15 U62.R1 U62.R2 U62.R3 U62.R4 U62.R15 U62.T1 U62.T2 U62.T3 U62.U1 U62.U2 U62.U3 U62.U16 U62.V1 U62.V2 U62.V17 U63.A1 U63.A2 U63.B1 U63.B2 U63.B3 U63.C1 U63.C2 U63.C3 U63.D1 U63.D2 U63.D3 U63.D4 U63.D15 U63.E1 U63.E2 U63.E3 U63.E4 U63.E15 U63.F1 U63.F2 U63.F3 U63.F4 U63.F15 U63.G1 U63.G2 U63.G3 U63.G4 U63.G18 U63.H1 U63.H2 U63.H3 U63.H4 U63.J1 U63.J2 U63.J3 U63.J4 U63.J15 U63.K1 U63.K2 U63.K3 U63.K4 U63.L1 U63.L2 U63.L3 U63.L4 U63.M1 U63.M2 U63.M3 U63.M4 U63.N1 U63.N2 U63.N3 U63.N4 U63.P1 U63.P2 U63.P3 U63.P4 U63.P15 U63.R1 U63.R2 U63.R3 U63.R4 U63.R15 U63.T1 U63.T2 U63.T3 U63.U1 U63.U2 U63.U3 U63.U16 U63.V1 U63.V2 U63.V17 U64.A1 U64.A2 U64.B1 U64.B2 U64.B3 U64.C1 U64.C2 U64.C3 U64.D1 U64.D2 U64.D3 U64.D4 U64.D15 U64.E1 U64.E2 U64.E3 U64.E4 U64.E15 U64.F1 U64.F2 U64.F3 U64.F4 U64.F15 U64.G1 U64.G2 U64.G3 U64.G4 U64.G18 U64.H1 U64.H2 U64.H3 U64.H4 U64.J1 U64.J2 U64.J3 U64.J4 U64.J15 U64.K1 U64.K2 U64.K3 U64.K4 U64.L1 U64.L2 U64.L3 U64.L4 U64.M1 U64.M2 U64.M3 U64.M4 U64.N1 U64.N2 U64.N3 U64.N4 U64.P1 U64.P2 U64.P3 U64.P4 U64.P15 U64.R1 U64.R2 U64.R3 U64.R4 U64.R15 U64.T1 U64.T2 U64.T3 U64.U1 U64.U2 U64.U3 U64.U16 U64.V1 U64.V2 U64.V17 U65.A1 U65.A2 U65.B1 U65.B2 U65.B3 U65.C1 U65.C2 U65.C3 U65.D1 U65.D2 U65.D3 U65.D4 U65.D15 U65.E1 U65.E2 U65.E3 U65.E4 U65.E15 U65.F1 U65.F2 U65.F3 U65.F4 U65.F15 U65.G1 U65.G2 U65.G3 U65.G4 U65.G18 U65.H1 U65.H2 U65.H3 U65.H4 U65.J1 U65.J2 U65.J3 U65.J4 U65.J15 U65.K1 U65.K2 U65.K3 U65.K4 U65.L1 U65.L2 U65.L3 U65.L4 U65.M1 U65.M2 U65.M3 U65.M4 U65.N1 U65.N2 U65.N3 U65.N4 U65.P1 U65.P2 U65.P3 U65.P4 U65.P15 U65.R1 U65.R2 U65.R3 U65.R4 U65.R15 U65.T1 U65.T2 U65.T3 U65.U1 U65.U2 U65.U3 U65.U16 U65.V1 U65.V2 U65.V17 U66.12 U66.14 U68.3 U69.13 U69.18 U69.100 U71.2 U71.3 U71.4 U71.7 U71.8 U71.13 U71.14 U71.18 U71.20 U71.26 U72.2 U72.3 U72.4 U72.14 U72.15 U75.7 U76.5 U76.8

## Text inside footprints (layer, text, board x,y; h text height)
C500: PIN_NUMBER "1" at 205,217.77 h0.8; PIN_NUMBER "2" at 205.06,216.62 h0.8
C501: PIN_NUMBER "1" at 388.82,216.34 h0.8 r270; PIN_NUMBER "2" at 387.67,216.28 h0.8 r270
C502: PIN_NUMBER "1" at 388.82,215.07 h0.8 r270; PIN_NUMBER "2" at 387.67,215.01 h0.8 r270
C503: PIN_NUMBER "1" at 337,213.77 h0.8; PIN_NUMBER "2" at 337.06,212.62 h0.8
C504: PIN_NUMBER "1" at 333.72,213.23 h0.8 r180; PIN_NUMBER "2" at 333.66,214.38 h0.8 r180
C505: PIN_NUMBER "1" at 313,213.77 h0.8; PIN_NUMBER "2" at 313.06,212.62 h0.8
C506: PIN_NUMBER "1" at 309.72,213.23 h0.8 r180; PIN_NUMBER "2" at 309.66,214.38 h0.8 r180
C507: PIN_NUMBER "1" at 289,213.77 h0.8; PIN_NUMBER "2" at 289.06,212.62 h0.8
C508: PIN_NUMBER "1" at 285.72,213.23 h0.8 r180; PIN_NUMBER "2" at 285.66,214.38 h0.8 r180
C509: PIN_NUMBER "1" at 265,213.77 h0.8; PIN_NUMBER "2" at 265.06,212.62 h0.8
C510: PIN_NUMBER "1" at 261.72,213.23 h0.8 r180; PIN_NUMBER "2" at 261.66,214.38 h0.8 r180
C511: PIN_NUMBER "1" at 241,213.77 h0.8; PIN_NUMBER "2" at 241.06,212.62 h0.8
C512: PIN_NUMBER "1" at 237.72,213.23 h0.8 r180; PIN_NUMBER "2" at 237.66,214.38 h0.8 r180
C513: PIN_NUMBER "1" at 217,213.77 h0.8; PIN_NUMBER "2" at 217.06,212.62 h0.8
C514: PIN_NUMBER "1" at 213.72,213.23 h0.8 r180; PIN_NUMBER "2" at 213.66,214.38 h0.8 r180
C515: PIN_NUMBER "1" at 336.97,210.73 h0.8 r180; PIN_NUMBER "2" at 336.91,211.88 h0.8 r180
C516: PIN_NUMBER "1" at 333.75,211.27 h0.8; PIN_NUMBER "2" at 333.81,210.12 h0.8
C517: PIN_NUMBER "1" at 312.97,210.73 h0.8 r180; PIN_NUMBER "2" at 312.91,211.88 h0.8 r180
C518: PIN_NUMBER "1" at 309.75,211.27 h0.8; PIN_NUMBER "2" at 309.81,210.12 h0.8
C519: PIN_NUMBER "1" at 288.97,210.73 h0.8 r180; PIN_NUMBER "2" at 288.91,211.88 h0.8 r180
C520: PIN_NUMBER "1" at 285.75,211.27 h0.8; PIN_NUMBER "2" at 285.81,210.12 h0.8
C521: PIN_NUMBER "1" at 264.97,210.73 h0.8 r180; PIN_NUMBER "2" at 264.91,211.88 h0.8 r180
C522: PIN_NUMBER "1" at 261.75,211.27 h0.8; PIN_NUMBER "2" at 261.81,210.12 h0.8
C523: PIN_NUMBER "1" at 240.97,210.73 h0.8 r180; PIN_NUMBER "2" at 240.91,211.88 h0.8 r180
C524: PIN_NUMBER "1" at 237.75,211.27 h0.8; PIN_NUMBER "2" at 237.81,210.12 h0.8
C525: PIN_NUMBER "1" at 216.97,210.73 h0.8 r180; PIN_NUMBER "2" at 216.91,211.88 h0.8 r180
C526: PIN_NUMBER "1" at 213.75,211.27 h0.8; PIN_NUMBER "2" at 213.81,210.12 h0.8
C527: PIN_NUMBER "1" at 337,208.77 h0.8; PIN_NUMBER "2" at 337.06,207.62 h0.8
C528: PIN_NUMBER "1" at 333.72,208.23 h0.8 r180; PIN_NUMBER "2" at 333.66,209.38 h0.8 r180
C529: PIN_NUMBER "1" at 313,208.77 h0.8; PIN_NUMBER "2" at 313.06,207.62 h0.8
C530: PIN_NUMBER "1" at 309.72,208.23 h0.8 r180; PIN_NUMBER "2" at 309.66,209.38 h0.8 r180
C531: PIN_NUMBER "1" at 289,208.77 h0.8; PIN_NUMBER "2" at 289.06,207.62 h0.8
C532: PIN_NUMBER "1" at 285.72,208.23 h0.8 r180; PIN_NUMBER "2" at 285.66,209.38 h0.8 r180
C533: PIN_NUMBER "1" at 265,208.77 h0.8; PIN_NUMBER "2" at 265.06,207.62 h0.8
C534: PIN_NUMBER "1" at 261.72,208.23 h0.8 r180; PIN_NUMBER "2" at 261.66,209.38 h0.8 r180
C535: PIN_NUMBER "1" at 241,208.77 h0.8; PIN_NUMBER "2" at 241.06,207.62 h0.8
C536: PIN_NUMBER "1" at 237.72,208.23 h0.8 r180; PIN_NUMBER "2" at 237.66,209.38 h0.8 r180
C537: PIN_NUMBER "1" at 217,208.77 h0.8; PIN_NUMBER "2" at 217.06,207.62 h0.8
C538: PIN_NUMBER "1" at 213.72,208.23 h0.8 r180; PIN_NUMBER "2" at 213.66,209.38 h0.8 r180
C539: PIN_NUMBER "1" at 345.72,202.23 h0.8 r180; PIN_NUMBER "2" at 345.66,203.38 h0.8 r180
C540: PIN_NUMBER "1" at 321.72,202.23 h0.8 r180; PIN_NUMBER "2" at 321.66,203.38 h0.8 r180
C541: PIN_NUMBER "1" at 297.72,202.23 h0.8 r180; PIN_NUMBER "2" at 297.66,203.38 h0.8 r180
C542: PIN_NUMBER "1" at 273.72,202.23 h0.8 r180; PIN_NUMBER "2" at 273.66,203.38 h0.8 r180
C543: PIN_NUMBER "1" at 249.72,202.23 h0.8 r180; PIN_NUMBER "2" at 249.66,203.38 h0.8 r180
C544: PIN_NUMBER "1" at 225.72,202.23 h0.8 r180; PIN_NUMBER "2" at 225.66,203.38 h0.8 r180
C545: PIN_NUMBER "1" at 388.82,201.65 h0.8 r270; PIN_NUMBER "2" at 387.67,201.59 h0.8 r270
C546: PIN_NUMBER "1" at 190.44,200.65 h0.8 r270; PIN_NUMBER "2" at 189.29,200.59 h0.8 r270
C547: PIN_NUMBER "1" at 388.82,200.38 h0.8 r270; PIN_NUMBER "2" at 387.67,200.32 h0.8 r270
C548: PIN_NUMBER "1" at 190.44,199.38 h0.8 r270; PIN_NUMBER "2" at 189.29,199.32 h0.8 r270
C549: PIN_NUMBER "1" at 340.98,199.9 h0.8; PIN_NUMBER "2" at 341.01,198.1 h0.8
C550: PIN_NUMBER "1" at 337.98,199.9 h0.8; PIN_NUMBER "2" at 338.01,198.1 h0.8
C551: PIN_NUMBER "1" at 316.98,199.9 h0.8; PIN_NUMBER "2" at 317.01,198.1 h0.8
C552: PIN_NUMBER "1" at 313.98,199.9 h0.8; PIN_NUMBER "2" at 314.01,198.1 h0.8
C553: PIN_NUMBER "1" at 292.98,199.9 h0.8; PIN_NUMBER "2" at 293.01,198.1 h0.8
C554: PIN_NUMBER "1" at 289.98,199.9 h0.8; PIN_NUMBER "2" at 290.01,198.1 h0.8
C555: PIN_NUMBER "1" at 268.98,199.9 h0.8; PIN_NUMBER "2" at 269.01,198.1 h0.8
C556: PIN_NUMBER "1" at 265.98,199.9 h0.8; PIN_NUMBER "2" at 266.01,198.1 h0.8
C557: PIN_NUMBER "1" at 244.98,199.9 h0.8; PIN_NUMBER "2" at 245.01,198.1 h0.8
C558: PIN_NUMBER "1" at 241.98,199.9 h0.8; PIN_NUMBER "2" at 242.01,198.1 h0.8
C559: PIN_NUMBER "1" at 220.98,199.9 h0.8; PIN_NUMBER "2" at 221.01,198.1 h0.8
C560: PIN_NUMBER "1" at 217.98,199.9 h0.8; PIN_NUMBER "2" at 218.01,198.1 h0.8
C561: PIN_NUMBER "1" at 360.74,198.1 h0.8 r180; PIN_NUMBER "2" at 360.71,199.9 h0.8 r180
C562: PIN_NUMBER "1" at 332.74,198.1 h0.8 r180; PIN_NUMBER "2" at 332.71,199.9 h0.8 r180
C563: PIN_NUMBER "1" at 308.74,198.1 h0.8 r180; PIN_NUMBER "2" at 308.71,199.9 h0.8 r180
C564: PIN_NUMBER "1" at 284.74,198.1 h0.8 r180; PIN_NUMBER "2" at 284.71,199.9 h0.8 r180
C565: PIN_NUMBER "1" at 260.74,198.1 h0.8 r180; PIN_NUMBER "2" at 260.71,199.9 h0.8 r180
C566: PIN_NUMBER "1" at 236.74,198.1 h0.8 r180; PIN_NUMBER "2" at 236.71,199.9 h0.8 r180
C567: PIN_NUMBER "1" at 212.74,198.1 h0.8 r180; PIN_NUMBER "2" at 212.71,199.9 h0.8 r180
C568: PIN_NUMBER "1" at 388.82,197.84 h0.8 r270; PIN_NUMBER "2" at 387.67,197.78 h0.8 r270
C569: PIN_NUMBER "1" at 190.44,196.84 h0.8 r270; PIN_NUMBER "2" at 189.29,196.78 h0.8 r270
C570: PIN_NUMBER "1" at 388.82,196.57 h0.8 r270; PIN_NUMBER "2" at 387.67,196.51 h0.8 r270
C571: PIN_NUMBER "1" at 190.44,195.57 h0.8 r270; PIN_NUMBER "2" at 189.29,195.51 h0.8 r270
C572: PIN_NUMBER "1" at 345.72,193.23 h0.8 r180; PIN_NUMBER "2" at 345.66,194.38 h0.8 r180
C573: PIN_NUMBER "1" at 321.72,193.23 h0.8 r180; PIN_NUMBER "2" at 321.66,194.38 h0.8 r180
C574: PIN_NUMBER "1" at 297.72,193.23 h0.8 r180; PIN_NUMBER "2" at 297.66,194.38 h0.8 r180
C575: PIN_NUMBER "1" at 273.72,193.23 h0.8 r180; PIN_NUMBER "2" at 273.66,194.38 h0.8 r180
C576: PIN_NUMBER "1" at 249.72,193.23 h0.8 r180; PIN_NUMBER "2" at 249.66,194.38 h0.8 r180
C577: PIN_NUMBER "1" at 225.72,193.23 h0.8 r180; PIN_NUMBER "2" at 225.66,194.38 h0.8 r180
C578: PIN_NUMBER "1" at 205,193.77 h0.8; PIN_NUMBER "2" at 205.06,192.62 h0.8
C579: PIN_NUMBER "1" at 361,189.77 h0.8; PIN_NUMBER "2" at 361.06,188.62 h0.8
C580: PIN_NUMBER "1" at 357.72,189.23 h0.8 r180; PIN_NUMBER "2" at 357.66,190.38 h0.8 r180
C581: PIN_NUMBER "1" at 337,189.77 h0.8; PIN_NUMBER "2" at 337.06,188.62 h0.8
C582: PIN_NUMBER "1" at 333.72,189.23 h0.8 r180; PIN_NUMBER "2" at 333.66,190.38 h0.8 r180
C583: PIN_NUMBER "1" at 313,189.77 h0.8; PIN_NUMBER "2" at 313.06,188.62 h0.8
C584: PIN_NUMBER "1" at 309.72,189.23 h0.8 r180; PIN_NUMBER "2" at 309.66,190.38 h0.8 r180
C585: PIN_NUMBER "1" at 289,189.77 h0.8; PIN_NUMBER "2" at 289.06,188.62 h0.8
C586: PIN_NUMBER "1" at 285.72,189.23 h0.8 r180; PIN_NUMBER "2" at 285.66,190.38 h0.8 r180
C587: PIN_NUMBER "1" at 265,189.77 h0.8; PIN_NUMBER "2" at 265.06,188.62 h0.8
C588: PIN_NUMBER "1" at 261.72,189.23 h0.8 r180; PIN_NUMBER "2" at 261.66,190.38 h0.8 r180
C589: PIN_NUMBER "1" at 241,189.77 h0.8; PIN_NUMBER "2" at 241.06,188.62 h0.8
C590: PIN_NUMBER "1" at 237.72,189.23 h0.8 r180; PIN_NUMBER "2" at 237.66,190.38 h0.8 r180